# Altium PCB PCB2.PcbDoc (part 4 of 5) (continued)
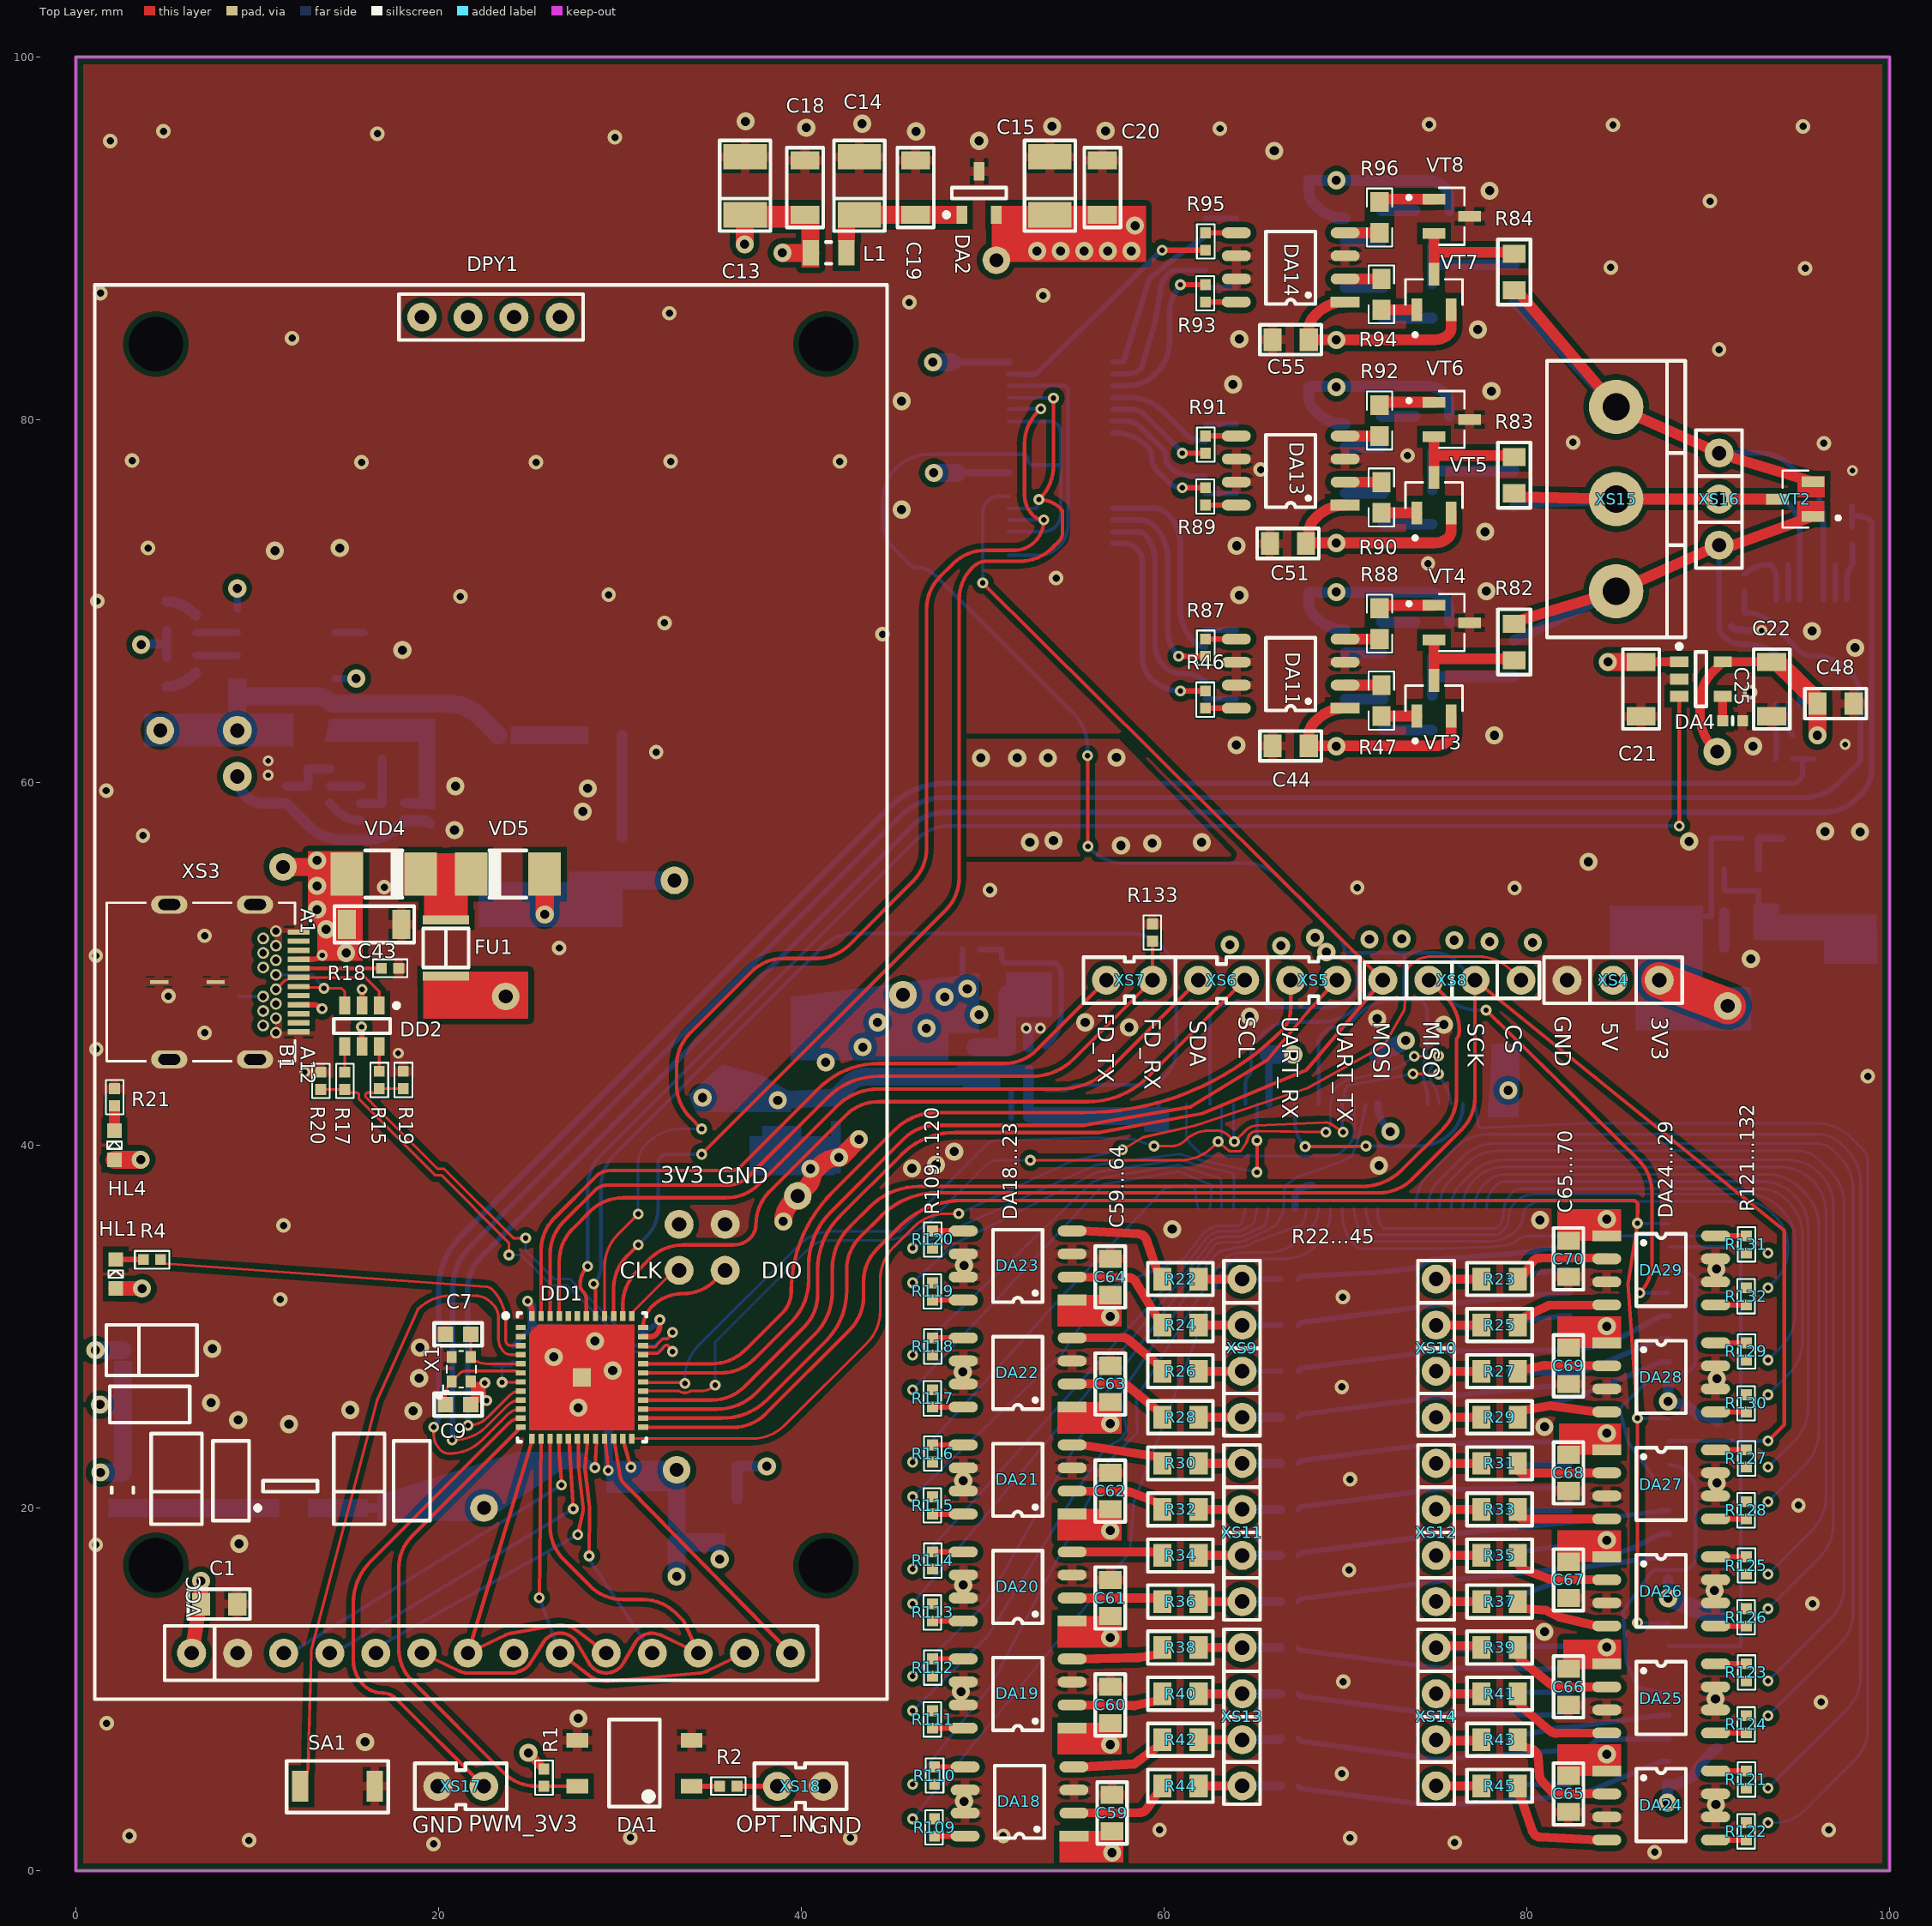
[diagram p0: Top Layer view]
## Nets (pads, with @x,y where several pads share a name; then routed paths per layer and width w, separated by ;. In a path a pad name is that pad's centre, name@x,y a point inside that pad or via, vN(x,y) a via of type N, cw(c..) or ccw(c..) an arc to the next point about the centre after c; other vN are vias at no path point) (continued)
NetDD1_32: DD1.32 XS5.2 | length 68.6
  Top Layer w0.2: DD1.32@31.275,27.95 35.085,27.95 ; XS5.2@66.98,49.1 66.98,47.532 cw(c65.259,47.532) 66.477,46.316 cw(c55.576,57.215) 55.574,41.8 47.452,41.8 ; 35.085,27.95 ccw(c35.085,30.49) 36.881,28.694 ; 35.085,27.95 ccw(c35.085,30.49) 36.881,28.694 ; 35.085,27.95 ccw(c35.085,30.49) 36.881,28.694 ; 35.085,27.95 ccw(c35.085,30.49) 36.881,28.694 ; 35.085,27.95 ccw(c35.085,30.49) 36.881,28.694 ; 35.085,27.95 ccw(c35.085,30.49) 36.881,28.694 ; 35.085,27.95 ccw(c35.085,30.49) 36.881,28.694 ; 35.085,27.95 ccw(c35.085,30.49) 36.881,28.694 ; 36.881,28.694 36.887,28.7 ; 36.887,28.7 ccw(c35.248,30.64) 37.044,28.844 ; 36.887,28.7 ccw(c35.248,30.64) 37.044,28.844 ; 36.887,28.7 ccw(c35.248,30.64) 37.044,28.844 ; 36.887,28.7 ccw(c35.248,30.64) 37.044,28.844 ; 36.887,28.7 ccw(c35.248,30.64) 37.044,28.844 ; 36.887,28.7 ccw(c35.248,30.64) 37.044,28.844 ; 36.887,28.7 ccw(c35.248,30.64) 37.044,28.844 ; 36.887,28.7 ccw(c35.248,30.64) 37.044,28.844 ; 37.044,28.844 38.956,30.756 ccw(c37.773,31.939) 39.446,31.937 ; 38.956,30.756 ccw(c37.773,31.939) 39.446,31.937 ; 38.956,30.756 ccw(c37.773,31.939) 39.446,31.937 ; 38.956,30.756 ccw(c37.773,31.939) 39.446,31.937 ; 39.446,31.937 cw(c47.164,31.939) 41.707,37.397 45.161,40.851 ; 45.161,40.851 cw(c47.452,38.56) 47.452,41.8 ; 45.161,40.851 cw(c47.452,38.56) 47.452,41.8
NetDD1_38: DD1.38 XS6.2 | length 90.4
  Top Layer w0.2: DD1.38@30.15,30.575 30.15,31.198 ; XS6.2@64.44,49.1 59.099,43.759 ; 30.15,31.198 cw(c32.69,31.198) 30.894,32.994 ; 30.15,31.198 cw(c32.69,31.198) 30.894,32.994 ; 30.894,32.994 31.656,33.756 ; 31.656,33.756 cw(c33.452,31.96) 33.452,34.5 ; 31.656,33.756 cw(c33.452,31.96) 33.452,34.5 ; 33.452,34.5 36.258,34.5 ; 36.258,34.5 ccw(c36.258,35.809) 37.183,34.883 ; 36.258,34.5 ccw(c36.258,35.809) 37.183,34.883 ; 37.183,34.883 ccw(c36.419,35.648) 37.5,35.648 ; 37.183,34.883 ccw(c36.419,35.648) 37.5,35.648 ; 37.5,35.648 cw(c40.04,35.648) 38.244,37.444 ; 37.5,35.648 cw(c40.04,35.648) 38.244,37.444 ; 38.244,37.444 42.456,41.656 ; 42.456,41.656 cw(c44.252,39.86) 44.252,42.4 ; 42.456,41.656 cw(c44.252,39.86) 44.252,42.4 ; 42.456,41.656 cw(c44.252,39.86) 44.252,42.4 ; 42.456,41.656 cw(c44.252,39.86) 44.252,42.4 ; 42.456,41.656 cw(c44.252,39.86) 44.252,42.4 ; 42.456,41.656 cw(c44.252,39.86) 44.252,42.4 ; 42.456,41.656 cw(c44.252,39.86) 44.252,42.4 ; 42.456,41.656 cw(c44.252,39.86) 44.252,42.4 ; 44.252,42.4 55.818,42.4 ; 55.818,42.4 ccw(c55.818,47.04) 59.099,43.759 ; 55.818,42.4 ccw(c55.818,47.04) 59.099,43.759 ; 55.818,42.4 ccw(c55.818,47.04) 59.099,43.759 ; 55.818,42.4 ccw(c55.818,47.04) 59.099,43.759 ; 55.818,42.4 ccw(c55.818,47.04) 59.099,43.759 ; 55.818,42.4 ccw(c55.818,47.04) 59.099,43.759 ; 55.818,42.4 ccw(c55.818,47.04) 59.099,43.759 ; 55.818,42.4 ccw(c55.818,47.04) 59.099,43.759
NetDD1_39: DD1.39 DD6.13 DD7.13 | length 82.6
  Top Layer w0.2: DD1.39@29.65,30.575 29.65,32.098 ; v2(31,34.5) 30.394,33.894 ; v2(34.5,39.5) 47.956,52.956 ; v2(53.9,81.2) 53.9,77.452 ; 29.65,32.098 cw(c32.19,32.098) 30.394,33.894 ; 29.65,32.098 cw(c32.19,32.098) 30.394,33.894 ; 47.956,52.956 ccw(c46.16,54.752) 48.7,54.752 ; 47.956,52.956 ccw(c46.16,54.752) 48.7,54.752 ; 48.7,54.752 48.7,70.077 ; 48.7,70.077 cw(c51.24,70.077) 49.444,71.873 ; 48.7,70.077 cw(c51.24,70.077) 49.444,71.873 ; 49.444,71.873 cw(c50.233,71.084) 50.233,72.2 ; 49.444,71.873 cw(c50.233,71.084) 50.233,72.2 ; 50.233,72.2 52.048,72.2 ; 52.048,72.2 ccw(c52.048,74.74) 53.844,72.944 ; 52.048,72.2 ccw(c52.048,74.74) 53.844,72.944 ; v2@53.156,75.656 ccw(c51.36,77.452) 53.9,77.452 ; v2@53.156,75.656 ccw(c51.36,77.452) 53.9,77.452 ; v2@53.156,75.656 v2(53.1,75.6) cw(c53.1,73.91) 54.295,75.105 cw(c54.041,74.851) 54.4,74.851 54.4,73.783 cw(c53.717,73.783) 54.2,73.3 53.844,72.944
  Bottom Layer w0.2: v2(31,34.5) 31.464,34.964 ; v2(34.5,39.5) 32.624,39.5 ; DD6.13@51.425,75.125 52.065,75.1 52.836,75.1 ; DD7.13@51.425,81.225 52.065,81.2 v2(53.9,81.2) ; v2(53.1,75.6) 53.032,75.261 ; 31.464,34.964 ccw(c29.927,36.5) 32.1,36.5 ; 31.464,34.964 ccw(c29.927,36.5) 32.1,36.5 ; 32.1,36.5 32.1,39 ; 32.1,39 cw(c32.583,39) 32.241,39.341 ; 32.1,39 cw(c32.583,39) 32.241,39.341 ; 32.241,39.341 cw(c32.624,38.959) 32.624,39.5 ; 32.241,39.341 cw(c32.624,38.959) 32.624,39.5 ; 52.836,75.1 ccw(c52.836,75.3) 53.032,75.261 ; 52.836,75.1 ccw(c52.836,75.3) 53.032,75.261
NetDD1_40: DD1.40 DD6.12 DD7.12 | length 79.1
  Top Layer w0.15: DD1.40@29.15,30.575 29.15,33.298 ; v2(31,36.2) 29.894,35.094 ; 29.15,33.298 cw(c31.69,33.298) 29.894,35.094 ; 29.15,33.298 cw(c31.69,33.298) 29.894,35.094
  Top Layer w0.2: v2(34.5,40.9) 33.869,41.531 cw(c35.665,43.327) 33.125,43.327 33.125,44.398 cw(c35.665,44.398) 33.869,46.194 37.231,49.556 cw(c39.027,47.76) 39.027,50.3 40.848,50.3 ccw(c40.848,52.84) 42.644,51.044 46.156,54.556 ccw(c44.36,56.352) 46.9,56.352 46.9,69.548 cw(c49.44,69.548) 47.644,71.344 48.356,72.056 ; v2(53.2,80.6) v2@53.044,80.444 ; 48.356,72.056 cw(c50.152,70.26) 50.152,72.8 ; 48.356,72.056 cw(c50.152,70.26) 50.152,72.8 ; 50.152,72.8 51.748,72.8 ccw(c51.748,74.375) 52.861,73.261 ; 52.3,78.648 cw(c54.84,78.648) v2@53.044,80.444 ; 52.3,78.648 cw(c54.84,78.648) v2@53.044,80.444 ; 52.3,78.648 52.3,75.871 ccw(c53.92,75.871) 52.775,74.725 ; 52.775,74.725 ccw(c53.366,75.317) v2(53.366,74.48) ; 52.775,74.725 ccw(c53.366,75.317) v2(53.366,74.48) ; 52.861,73.261 ccw(c51.642,74.48) v2(53.366,74.48) ; 52.861,73.261 ccw(c51.642,74.48) v2(53.366,74.48)
  Bottom Layer w0.15: v2(31,36.2) 31,39.034 ; v2(34.5,40.9) 33.352,40.9 ccw(c33.352,38.36) 31.556,40.156 31.4,40 ; 31,39.034 cw(c32.366,39.034) 31.4,40 ; 31,39.034 cw(c32.366,39.034) 31.4,40
  Bottom Layer w0.2: DD6.12@51.425,74.475 52.065,74.48 v2(53.366,74.48) ; DD7.12@51.425,80.575 52.065,80.6 v2(53.2,80.6)
NetDD1_45: DD1.45 XS6.1 | length 98.1
  Top Layer w0.2: DD1.45@26.65,30.575 26.65,33.598 cw(c29.19,33.598) 27.394,35.394 28.356,36.356 ; XS6.1@61.9,49.1 57.054,44.254 ; 28.356,36.356 cw(c30.152,34.56) 30.152,37.1 ; 28.356,36.356 cw(c30.152,34.56) 30.152,37.1 ; 28.356,36.356 cw(c30.152,34.56) 30.152,37.1 ; 28.356,36.356 cw(c30.152,34.56) 30.152,37.1 ; 28.356,36.356 cw(c30.152,34.56) 30.152,37.1 ; 28.356,36.356 cw(c30.152,34.56) 30.152,37.1 ; 28.356,36.356 cw(c30.152,34.56) 30.152,37.1 ; 28.356,36.356 cw(c30.152,34.56) 30.152,37.1 ; 30.152,37.1 35.858,37.1 ccw(c35.858,39.64) 37.654,37.844 41.961,42.151 ; 41.961,42.151 cw(c44.252,39.86) 44.252,43.1 ; 41.961,42.151 cw(c44.252,39.86) 44.252,43.1 ; 41.961,42.151 cw(c44.252,39.86) 44.252,43.1 ; 41.961,42.151 cw(c44.252,39.86) 44.252,43.1 ; 41.961,42.151 cw(c44.252,39.86) 44.252,43.1 ; 41.961,42.151 cw(c44.252,39.86) 44.252,43.1 ; 41.961,42.151 cw(c44.252,39.86) 44.252,43.1 ; 41.961,42.151 cw(c44.252,39.86) 44.252,43.1 ; 44.252,43.1 54.268,43.1 ; 54.268,43.1 ccw(c54.268,47.04) 57.054,44.254 ; 54.268,43.1 ccw(c54.268,47.04) 57.054,44.254 ; 54.268,43.1 ccw(c54.268,47.04) 57.054,44.254 ; 54.268,43.1 ccw(c54.268,47.04) 57.054,44.254 ; 54.268,43.1 ccw(c54.268,47.04) 57.054,44.254 ; 54.268,43.1 ccw(c54.268,47.04) 57.054,44.254 ; 54.268,43.1 ccw(c54.268,47.04) 57.054,44.254 ; 54.268,43.1 ccw(c54.268,47.04) 57.054,44.254
NetDD1_46: DD1.46 R133.1 XS7.1 | length 113.7
  Top Layer w0.2: DD1.46@26.15,30.575 26.15,33.998 ; R133.1@59.36,51.25 XS7.1@59.36,49.1 55.009,44.749 ; 26.15,33.998 cw(c28.69,33.998) 26.894,35.794 ; 26.15,33.998 cw(c28.69,33.998) 26.894,35.794 ; 26.15,33.998 cw(c28.69,33.998) 26.894,35.794 ; 26.15,33.998 cw(c28.69,33.998) 26.894,35.794 ; 26.15,33.998 cw(c28.69,33.998) 26.894,35.794 ; 26.15,33.998 cw(c28.69,33.998) 26.894,35.794 ; 26.15,33.998 cw(c28.69,33.998) 26.894,35.794 ; 26.15,33.998 cw(c28.69,33.998) 26.894,35.794 ; 26.894,35.794 28.6,37.5 ; 28.6,37.5 cw(c29.324,36.776) 29.324,37.8 ; 28.6,37.5 cw(c29.324,36.776) 29.324,37.8 ; 28.6,37.5 cw(c29.324,36.776) 29.324,37.8 ; 28.6,37.5 cw(c29.324,36.776) 29.324,37.8 ; 28.6,37.5 cw(c29.324,36.776) 29.324,37.8 ; 28.6,37.5 cw(c29.324,36.776) 29.324,37.8 ; 28.6,37.5 cw(c29.324,36.776) 29.324,37.8 ; 28.6,37.5 cw(c29.324,36.776) 29.324,37.8 ; 29.324,37.8 35.9,37.8 ; 35.9,37.8 ccw(c35.9,39.538) 37.129,38.309 ; 35.9,37.8 ccw(c35.9,39.538) 37.129,38.309 ; 35.9,37.8 ccw(c35.9,39.538) 37.129,38.309 ; 35.9,37.8 ccw(c35.9,39.538) 37.129,38.309 ; 35.9,37.8 ccw(c35.9,39.538) 37.129,38.309 ; 35.9,37.8 ccw(c35.9,39.538) 37.129,38.309 ; 35.9,37.8 ccw(c35.9,39.538) 37.129,38.309 ; 35.9,37.8 ccw(c35.9,39.538) 37.129,38.309 ; 37.129,38.309 41.466,42.646 ; 41.466,42.646 cw(c44.252,39.86) 44.252,43.8 ; 41.466,42.646 cw(c44.252,39.86) 44.252,43.8 ; 41.466,42.646 cw(c44.252,39.86) 44.252,43.8 ; 41.466,42.646 cw(c44.252,39.86) 44.252,43.8 ; 41.466,42.646 cw(c44.252,39.86) 44.252,43.8 ; 41.466,42.646 cw(c44.252,39.86) 44.252,43.8 ; 41.466,42.646 cw(c44.252,39.86) 44.252,43.8 ; 41.466,42.646 cw(c44.252,39.86) 44.252,43.8 ; 44.252,43.8 52.718,43.8 ; 52.718,43.8 ccw(c52.718,47.04) 55.009,44.749 ; 52.718,43.8 ccw(c52.718,47.04) 55.009,44.749 ; 52.718,43.8 ccw(c52.718,47.04) 55.009,44.749 ; 52.718,43.8 ccw(c52.718,47.04) 55.009,44.749 ; 52.718,43.8 ccw(c52.718,47.04) 55.009,44.749 ; 52.718,43.8 ccw(c52.718,47.04) 55.009,44.749 ; 52.718,43.8 ccw(c52.718,47.04) 55.009,44.749 ; 52.718,43.8 ccw(c52.718,47.04) 55.009,44.749
NetDD1_47: DD1.47 XS7.2 | length 60.7
  Top Layer w0.2: DD1.47@25.65,30.575 25.65,34.198 cw(c28.19,34.198) 26.394,35.994 28.7,38.3 ; XS7.2@56.82,49.1 52.964,45.244 ; 28.7,38.3 cw(c29.424,37.576) 29.424,38.6 ; 28.7,38.3 cw(c29.424,37.576) 29.424,38.6 ; 28.7,38.3 cw(c29.424,37.576) 29.424,38.6 ; 28.7,38.3 cw(c29.424,37.576) 29.424,38.6 ; 28.7,38.3 cw(c29.424,37.576) 29.424,38.6 ; 28.7,38.3 cw(c29.424,37.576) 29.424,38.6 ; 28.7,38.3 cw(c29.424,37.576) 29.424,38.6 ; 28.7,38.3 cw(c29.424,37.576) 29.424,38.6 ; 29.424,38.6 36.1,38.6 ccw(c36.1,39.397) 36.664,38.833 40.971,43.141 cw(c44.252,39.86) 44.252,44.5 51.168,44.5 ; 51.168,44.5 ccw(c51.168,47.04) 52.964,45.244 ; 51.168,44.5 ccw(c51.168,47.04) 52.964,45.244 ; 51.168,44.5 ccw(c51.168,47.04) 52.964,45.244 ; 51.168,44.5 ccw(c51.168,47.04) 52.964,45.244 ; 51.168,44.5 ccw(c51.168,47.04) 52.964,45.244 ; 51.168,44.5 ccw(c51.168,47.04) 52.964,45.244 ; 51.168,44.5 ccw(c51.168,47.04) 52.964,45.244 ; 51.168,44.5 ccw(c51.168,47.04) 52.964,45.244
NetDD2_4: DD2.4 R17.1 | length 1.4
  Top Layer w0.15: R17.1@14.825,44.025 DD2.4@14.825,45.45
NetDD2_6: DD2.6 R15.1 | length 1.4
  Top Layer w0.15: R15.1@16.725,44.075 DD2.6@16.725,45.45
NetDD3_1: DD3.1 R51.2 | length 15.2
  Bottom Layer w0.3: R51.2@67.375,25 67.525,25.15 74.86,26.091 cw(c75,25) 74.894,26.095 81.95,26.78 DD3.1@82.375,26.78
NetDD3_4: DD3.4 R70.2 | length 3.5
  Bottom Layer w0.3: R70.2@78.975,30.08 79.125,30.23 81.95,30.59 DD3.4@82.375,30.59
NetDD3_5: DD3.5 R49.2 | length 15.2
  Bottom Layer w0.3: R49.2@67.375,30.08 67.525,30.23 74.86,31.171 cw(c75,30.08) 74.9,31.175 81.95,31.86 DD3.5@82.375,31.86
NetDD3_6: DD3.6 R71.2 | length 3.5
  Bottom Layer w0.3: R71.2@78.975,32.62 79.125,32.77 81.95,33.13 DD3.6@82.375,33.13
NetDD3_7: DD3.7 R48.2 | length 26.9
  Bottom Layer w0.3: R48.2@67.375,32.62 R48.2@67.453,32.698 ; R48.2@67.454,32.699 cw(c67.664,32.484) 67.642,32.784 67.643,32.784 cw(c67.664,32.484) 67.649,32.784 71.607,32.976 ; 75.507,33.751 75.148,33.723 ; 80.025,34.107 80.346,34.145 80.397,34.151 ; DD3.7@82.375,34.4 81.965,34.4 ccw(c81.965,34.1) 81.936,34.399 ccw(c81.965,34.1) 81.924,34.397 80.701,34.229 ; 71.607,32.976 ccw(c71.592,33.275) 71.618,32.977 ; 71.608,32.976 ccw(c71.592,33.275) 71.618,32.977 ; 71.608,32.976 ccw(c71.592,33.275) 71.618,32.977 ; 71.608,32.976 ccw(c71.592,33.275) 71.618,32.977 ; 71.618,32.977 71.651,32.979 71.655,32.98 ; 71.655,32.98 ccw(c71.579,33.801) 71.666,32.981 ; 71.655,32.98 ccw(c71.579,33.801) 71.666,32.981 ; 71.655,32.98 ccw(c71.579,33.801) 71.666,32.981 ; 71.655,32.98 ccw(c71.579,33.801) 71.666,32.981 ; 71.655,32.98 ccw(c71.579,33.801) 71.666,32.981 ; 71.655,32.98 ccw(c71.579,33.801) 71.666,32.981 ; 71.655,32.98 ccw(c71.579,33.801) 71.666,32.981 ; 71.655,32.98 ccw(c71.579,33.801) 71.666,32.981 ; 71.667,32.981 cw(c71.695,32.682) 71.672,32.981 ; 71.667,32.981 cw(c71.695,32.682) 71.672,32.981 ; 71.667,32.981 cw(c71.695,32.682) 71.672,32.981 ; 71.667,32.981 cw(c71.695,32.682) 71.672,32.981 ; 71.667,32.981 cw(c71.695,32.682) 71.672,32.981 ; 71.667,32.981 cw(c71.695,32.682) 71.672,32.981 ; 71.667,32.981 cw(c71.695,32.682) 71.672,32.981 ; 71.667,32.981 cw(c71.695,32.682) 71.672,32.981 ; 71.672,32.981 71.97,33.004 ; 71.97,33.004 ccw(c71.875,34.275) 72.021,33.008 ; 71.97,33.004 ccw(c71.875,34.275) 72.021,33.008 ; 71.97,33.004 ccw(c71.875,34.275) 72.021,33.008 ; 71.97,33.004 ccw(c71.875,34.275) 72.021,33.008 ; 71.97,33.004 ccw(c71.875,34.275) 72.021,33.008 ; 71.97,33.004 ccw(c71.875,34.275) 72.021,33.008 ; 71.97,33.004 ccw(c71.875,34.275) 72.021,33.008 ; 71.97,33.004 ccw(c71.875,34.275) 72.021,33.008 ; 72.021,33.008 73.701,33.204 ccw(c73.625,33.875) 73.758,33.213 73.939,33.25 cw(c73.998,32.956) 73.961,33.253 ; 73.961,33.253 ccw(c73.925,33.551) 74.082,33.296 ; 73.961,33.253 ccw(c73.925,33.551) 74.082,33.296 ; 73.961,33.253 ccw(c73.925,33.551) 74.082,33.296 ; 73.961,33.253 ccw(c73.925,33.551) 74.082,33.296 ; 73.961,33.253 ccw(c73.925,33.551) 74.082,33.296 ; 73.961,33.253 ccw(c73.925,33.551) 74.082,33.296 ; 73.961,33.253 ccw(c73.925,33.551) 74.082,33.296 ; 73.961,33.253 ccw(c73.925,33.551) 74.082,33.296 ; 74.083,33.296 74.131,33.326 74.134,33.328 ; 74.134,33.328 ccw(c73.854,33.772) 74.224,33.4 ; 74.134,33.328 ccw(c73.854,33.772) 74.224,33.4 ; 74.134,33.328 ccw(c73.854,33.772) 74.224,33.4 ; 74.134,33.328 ccw(c73.854,33.772) 74.224,33.4 ; 74.134,33.328 ccw(c73.854,33.772) 74.224,33.4 ; 74.134,33.328 ccw(c73.854,33.772) 74.224,33.4 ; 74.134,33.328 ccw(c73.854,33.772) 74.224,33.4 ; 74.134,33.328 ccw(c73.854,33.772) 74.224,33.4 ; 74.224,33.4 cw(c75,32.62) 75.025,33.72 ; 74.224,33.4 cw(c75,32.62) 75.025,33.72 ; 74.224,33.4 cw(c75,32.62) 75.025,33.72 ; 74.224,33.4 cw(c75,32.62) 75.025,33.72 ; 74.224,33.4 cw(c75,32.62) 75.025,33.72 ; 74.224,33.4 cw(c75,32.62) 75.025,33.72 ; 74.224,33.4 cw(c75,32.62) 75.025,33.72 ; 74.224,33.4 cw(c75,32.62) 75.025,33.72 ; 75.026,33.72 ccw(c75.05,34.994) 75.148,33.723 ; 75.026,33.72 ccw(c75.05,34.994) 75.148,33.723 ; 75.026,33.72 ccw(c75.05,34.994) 75.148,33.723 ; 75.026,33.72 ccw(c75.05,34.994) 75.148,33.723 ; 75.026,33.72 ccw(c75.05,34.994) 75.148,33.723 ; 75.026,33.72 ccw(c75.05,34.994) 75.148,33.723 ; 75.508,33.751 cw(c75.53,33.451) 75.51,33.751 ; 75.508,33.751 cw(c75.53,33.451) 75.51,33.751 ; 75.508,33.751 cw(c75.53,33.451) 75.51,33.751 ; 75.508,33.751 cw(c75.53,33.451) 75.51,33.751 ; 75.508,33.751 cw(c75.53,33.451) 75.51,33.751 ; 75.508,33.751 cw(c75.53,33.451) 75.51,33.751 ; 75.508,33.751 cw(c75.53,33.451) 75.51,33.751 ; 75.508,33.751 cw(c75.53,33.451) 75.51,33.751 ; 75.51,33.751 75.515,33.751 ; 75.515,33.751 ccw(c75.475,34.425) 75.53,33.752 ; 75.515,33.751 ccw(c75.475,34.425) 75.53,33.752 ; 75.515,33.751 ccw(c75.475,34.425) 75.53,33.752 ; 75.515,33.751 ccw(c75.475,34.425) 75.53,33.752 ; 75.515,33.751 ccw(c75.475,34.425) 75.53,33.752 ; 75.515,33.751 ccw(c75.475,34.425) 75.53,33.752 ; 75.515,33.751 ccw(c75.475,34.425) 75.53,33.752 ; 75.515,33.751 ccw(c75.475,34.425) 75.53,33.752 ; 75.53,33.752 ccw(c75.475,34.425) 75.533,33.752 cw(c75.556,33.453) 75.535,33.753 78.786,33.979 ; 78.786,33.979 ccw(c78.675,35.55) 78.836,33.983 ; 78.786,33.979 ccw(c78.675,35.55) 78.836,33.983 ; 78.786,33.979 ccw(c78.675,35.55) 78.836,33.983 ; 78.786,33.979 ccw(c78.675,35.55) 78.836,33.983 ; 78.786,33.979 ccw(c78.675,35.55) 78.836,33.983 ; 78.786,33.979 ccw(c78.675,35.55) 78.836,33.983 ; 78.786,33.979 ccw(c78.675,35.55) 78.836,33.983 ; 78.786,33.979 ccw(c78.675,35.55) 78.836,33.983 ; 78.836,33.983 80.007,34.105 ; 80.007,34.105 ccw(c79.906,35.075) 80.023,34.107 ; 80.007,34.105 ccw(c79.906,35.075) 80.023,34.107 ; 80.007,34.105 ccw(c79.906,35.075) 80.023,34.107 ; 80.007,34.105 ccw(c79.906,35.075) 80.023,34.107 ; 80.007,34.105 ccw(c79.906,35.075) 80.023,34.107 ; 80.007,34.105 ccw(c79.906,35.075) 80.023,34.107 ; 80.007,34.105 ccw(c79.906,35.075) 80.023,34.107 ; 80.007,34.105 ccw(c79.906,35.075) 80.023,34.107 ; 80.397,34.151 cw(c80.433,33.854) 80.406,34.152 ; 80.397,34.151 cw(c80.433,33.854) 80.406,34.152 ; 80.397,34.151 cw(c80.433,33.854) 80.406,34.152 ; 80.397,34.151 cw(c80.433,33.854) 80.406,34.152 ; 80.397,34.151 cw(c80.433,33.854) 80.406,34.152 ; 80.397,34.151 cw(c80.433,33.854) 80.406,34.152 ; 80.397,34.151 cw(c80.433,33.854) 80.406,34.152 ; 80.397,34.151 cw(c80.433,33.854) 80.406,34.152 ; 80.406,34.152 ccw(c80.35,34.825) 80.601,34.198 ; 80.406,34.152 ccw(c80.35,34.825) 80.601,34.198 ; 80.406,34.152 ccw(c80.35,34.825) 80.601,34.198 ; 80.406,34.152 ccw(c80.35,34.825) 80.601,34.198 ; 80.406,34.152 ccw(c80.35,34.825) 80.601,34.198 ; 80.406,34.152 ccw(c80.35,34.825) 80.601,34.198 ; 80.406,34.152 ccw(c80.35,34.825) 80.601,34.198 ; 80.406,34.152 ccw(c80.35,34.825) 80.601,34.198 ; 80.601,34.198 80.629,34.21 ; 80.629,34.21 cw(c80.74,33.931) 80.699,34.228 ; 80.629,34.21 cw(c80.74,33.931) 80.699,34.228 ; 80.629,34.21 cw(c80.74,33.931) 80.699,34.228 ; 80.629,34.21 cw(c80.74,33.931) 80.699,34.228 ; 80.629,34.21 cw(c80.74,33.931) 80.699,34.228 ; 80.629,34.21 cw(c80.74,33.931) 80.699,34.228 ; 80.629,34.21 cw(c80.74,33.931) 80.699,34.228 ; 80.629,34.21 cw(c80.74,33.931) 80.699,34.228 ; 80.699,34.228 ccw(c80.65,34.6) 80.701,34.229 ; 80.7,34.228 ccw(c80.65,34.6) 80.701,34.229 ; 80.7,34.228 ccw(c80.65,34.6) 80.701,34.229 ; 80.7,34.228 ccw(c80.65,34.6) 80.701,34.229
NetDD3_11: DD3.11 DD5.12 | length 26.4
  Bottom Layer w0.2: 85.588,23.645 ccw(c85.781,23.698) 85.619,23.581 87.4,21.11 DD5.12@87.825,21.11 ; 85.588,23.646 85.13,25.362 ; DD3.11@87.825,33.13 88.162,33.13 cw(c88.162,31.662) 89.2,32.7 cw(c88.959,32.459) 89.3,32.459 89.3,28.183 ; 85.13,25.362 cw(c85.324,25.413) 85.185,25.556 ; 85.13,25.362 cw(c85.324,25.413) 85.185,25.556 ; 85.185,25.557 87.1,27.4 88.376,27.4 ; 88.376,27.4 ccw(c88.376,28.424) 89.1,27.7 ; 88.376,27.4 ccw(c88.376,28.424) 89.1,27.7 ; 88.376,27.4 ccw(c88.376,28.424) 89.1,27.7 ; 88.376,27.4 ccw(c88.376,28.424) 89.1,27.7 ; 88.376,27.4 ccw(c88.376,28.424) 89.1,27.7 ; 88.376,27.4 ccw(c88.376,28.424) 89.1,27.7 ; 88.376,27.4 ccw(c88.376,28.424) 89.1,27.7 ; 88.376,27.4 ccw(c88.376,28.424) 89.1,27.7 ; 89.1,27.7 ccw(c88.617,28.183) 89.3,28.183 ; 89.1,27.7 ccw(c88.617,28.183) 89.3,28.183 ; 89.1,27.7 ccw(c88.617,28.183) 89.3,28.183 ; 89.1,27.7 ccw(c88.617,28.183) 89.3,28.183 ; 89.1,27.7 ccw(c88.617,28.183) 89.3,28.183 ; 89.1,27.7 ccw(c88.617,28.183) 89.3,28.183 ; 89.1,27.7 ccw(c88.617,28.183) 89.3,28.183 ; 89.1,27.7 ccw(c88.617,28.183) 89.3,28.183
NetDD3_13: DD3.13 R50.2 | length 21
  Bottom Layer w0.3: R50.2@67.375,27.54 67.525,27.69 74.86,28.631 cw(c75,27.54) 74.989,28.64 82.806,28.72 ccw(c82.8,29.32) 83.031,28.766 84.464,29.067 85.571,29.598 87.4,30.59 DD3.13@87.825,30.59
NetDD3_14: DD3.14 R69.2 | length 10.9
  Bottom Layer w0.3: R69.2@78.975,27.54 79.125,27.45 81.95,27.45 82.8,27.45 ; DD3.14@87.825,29.32 87.4,29.32 83.031,27.496 ; 82.8,27.45 ccw(c82.8,28.05) 83.031,27.496 ; 82.8,27.45 ccw(c82.8,28.05) 83.031,27.496 ; 82.8,27.45 ccw(c82.8,28.05) 83.031,27.496 ; 82.8,27.45 ccw(c82.8,28.05) 83.031,27.496 ; 82.8,27.45 ccw(c82.8,28.05) 83.031,27.496 ; 82.8,27.45 ccw(c82.8,28.05) 83.031,27.496 ; 82.8,27.45 ccw(c82.8,28.05) 83.031,27.496 ; 82.8,27.45 ccw(c82.8,28.05) 83.031,27.496
NetDD3_15: DD3.15 R68.2 | length 9.4
  Bottom Layer w0.3: R68.2@78.975,25 79.125,25.15 82.959,26.201 ccw(c82.8,26.78) 83.031,26.226 87.4,28.05 DD3.15@87.825,28.05
NetDD4_1: DD4.1 R60.2 | length 3.4
  Bottom Layer w0.3: R60.2@78.975,4.68 79.125,4.755 DD4.1@82.375,4.755
NetDD4_4: DD4.4 R57.2 | length 16
  Bottom Layer w0.3: R57.2@67.375,9.76 67.525,9.61 74.86,8.669 ; DD4.4@82.375,8.565 81.95,8.565 74.985,8.66 ; 74.86,8.669 ccw(c75,9.76) 74.985,8.66 ; 74.86,8.669 ccw(c75,9.76) 74.985,8.66 ; 74.86,8.669 ccw(c75,9.76) 74.985,8.66 ; 74.86,8.669 ccw(c75,9.76) 74.985,8.66 ; 74.86,8.669 ccw(c75,9.76) 74.985,8.66 ; 74.86,8.669 ccw(c75,9.76) 74.985,8.66 ; 74.86,8.669 ccw(c75,9.76) 74.985,8.66 ; 74.86,8.669 ccw(c75,9.76) 74.985,8.66
NetDD4_5: DD4.5 R62.2 | length 3.4
  Bottom Layer w0.3: R62.2@78.975,9.76 79.125,9.835 DD4.5@82.375,9.835
NetDD4_6: DD4.6 R56.2 | length 16
  Bottom Layer w0.3: R56.2@67.375,12.3 67.525,12.15 74.86,11.209 ; DD4.6@82.375,11.105 81.95,11.105 74.985,11.2 ; 74.86,11.209 ccw(c75,12.3) 74.985,11.2 ; 74.86,11.209 ccw(c75,12.3) 74.985,11.2 ; 74.86,11.209 ccw(c75,12.3) 74.985,11.2 ; 74.86,11.209 ccw(c75,12.3) 74.985,11.2 ; 74.86,11.209 ccw(c75,12.3) 74.985,11.2 ; 74.86,11.209 ccw(c75,12.3) 74.985,11.2 ; 74.86,11.209 ccw(c75,12.3) 74.985,11.2 ; 74.86,11.209 ccw(c75,12.3) 74.985,11.2
NetDD4_7: DD4.7 R63.2 | length 3.4
  Bottom Layer w0.3: R63.2@78.975,12.3 79.125,12.375 DD4.7@82.375,12.375
NetDD4_12: DD4.12 DD5.11 | length 31.5
  Bottom Layer w0.2: 85.498,11.534 85.305,14.227 ; 86.056,10.202 85.514,11.468 ; DD4.12@87.825,9.835 87.4,9.835 86.199,10.085 ; 85.305,14.227 cw(c85.505,14.241) 85.343,14.359 ; 85.305,14.227 cw(c85.505,14.241) 85.343,14.359 ; 85.343,14.359 86.9,16.5 cw(c87.141,16.259) 87.141,16.6 88.617,16.6 ccw(c88.617,17.283) 89.1,16.8 ccw(c88.617,17.283) 89.3,17.283 89.3,21.076 ; 85.514,11.468 cw(c85.697,11.548) 85.498,11.533 ccw(c85.697,11.548) 85.514,11.468 ; 86.199,10.085 cw(c86.24,10.281) 86.057,10.201 ccw(c86.24,10.281) 86.199,10.085 ; DD5.11@87.825,22.38 cw(c87.825,20.944) 88.841,21.959 ; DD5.11@87.825,22.38 cw(c87.825,20.944) 88.841,21.959 ; DD5.11@87.825,22.38 cw(c87.825,20.944) 88.841,21.959 ; DD5.11@87.825,22.38 cw(c87.825,20.944) 88.841,21.959 ; DD5.11@87.825,22.38 cw(c87.825,20.944) 88.841,21.959 ; DD5.11@87.825,22.38 cw(c87.825,20.944) 88.841,21.959 ; DD5.11@87.825,22.38 cw(c87.825,20.944) 88.841,21.959 ; DD5.11@87.825,22.38 cw(c87.825,20.944) 88.841,21.959 ; 88.841,21.959 89,21.8 ; 89,21.8 cw(c88.276,21.076) 89.3,21.076 ; 89,21.8 cw(c88.276,21.076) 89.3,21.076 ; 89,21.8 cw(c88.276,21.076) 89.3,21.076 ; 89,21.8 cw(c88.276,21.076) 89.3,21.076 ; 89,21.8 cw(c88.276,21.076) 89.3,21.076 ; 89,21.8 cw(c88.276,21.076) 89.3,21.076 ; 89,21.8 cw(c88.276,21.076) 89.3,21.076 ; 89,21.8 cw(c88.276,21.076) 89.3,21.076
NetDD4_13: DD4.13 R61.2 | length 9.7
  Bottom Layer w0.3: R61.2@78.975,7.22 79.125,7.37 81.838,7.885 ; DD4.13@87.825,8.565 87.4,8.565 82.878,7.97 ; 81.838,7.884 cw(c81.95,7.295) 81.904,7.893 ; 81.838,7.884 cw(c81.95,7.295) 81.904,7.893 ; 81.838,7.884 cw(c81.95,7.295) 81.904,7.893 ; 81.838,7.884 cw(c81.95,7.295) 81.904,7.893 ; 81.838,7.884 cw(c81.95,7.295) 81.904,7.893 ; 81.838,7.884 cw(c81.95,7.295) 81.904,7.893 ; 81.838,7.884 cw(c81.95,7.295) 81.904,7.893 ; 81.838,7.884 cw(c81.95,7.295) 81.904,7.893 ; 81.904,7.893 82.847,7.967 ; 82.847,7.967 ccw(c82.8,8.565) 82.878,7.97 ; 82.847,7.967 ccw(c82.8,8.565) 82.878,7.97 ; 82.847,7.967 ccw(c82.8,8.565) 82.878,7.97 ; 82.847,7.967 ccw(c82.8,8.565) 82.878,7.97 ; 82.847,7.967 ccw(c82.8,8.565) 82.878,7.97 ; 82.847,7.967 ccw(c82.8,8.565) 82.878,7.97 ; 82.847,7.967 ccw(c82.8,8.565) 82.878,7.97 ; 82.847,7.967 ccw(c82.8,8.565) 82.878,7.97